# KiCad board spleeb.kicad_pcb
title: spleeb; rev: v1.0.0; company: Unknown
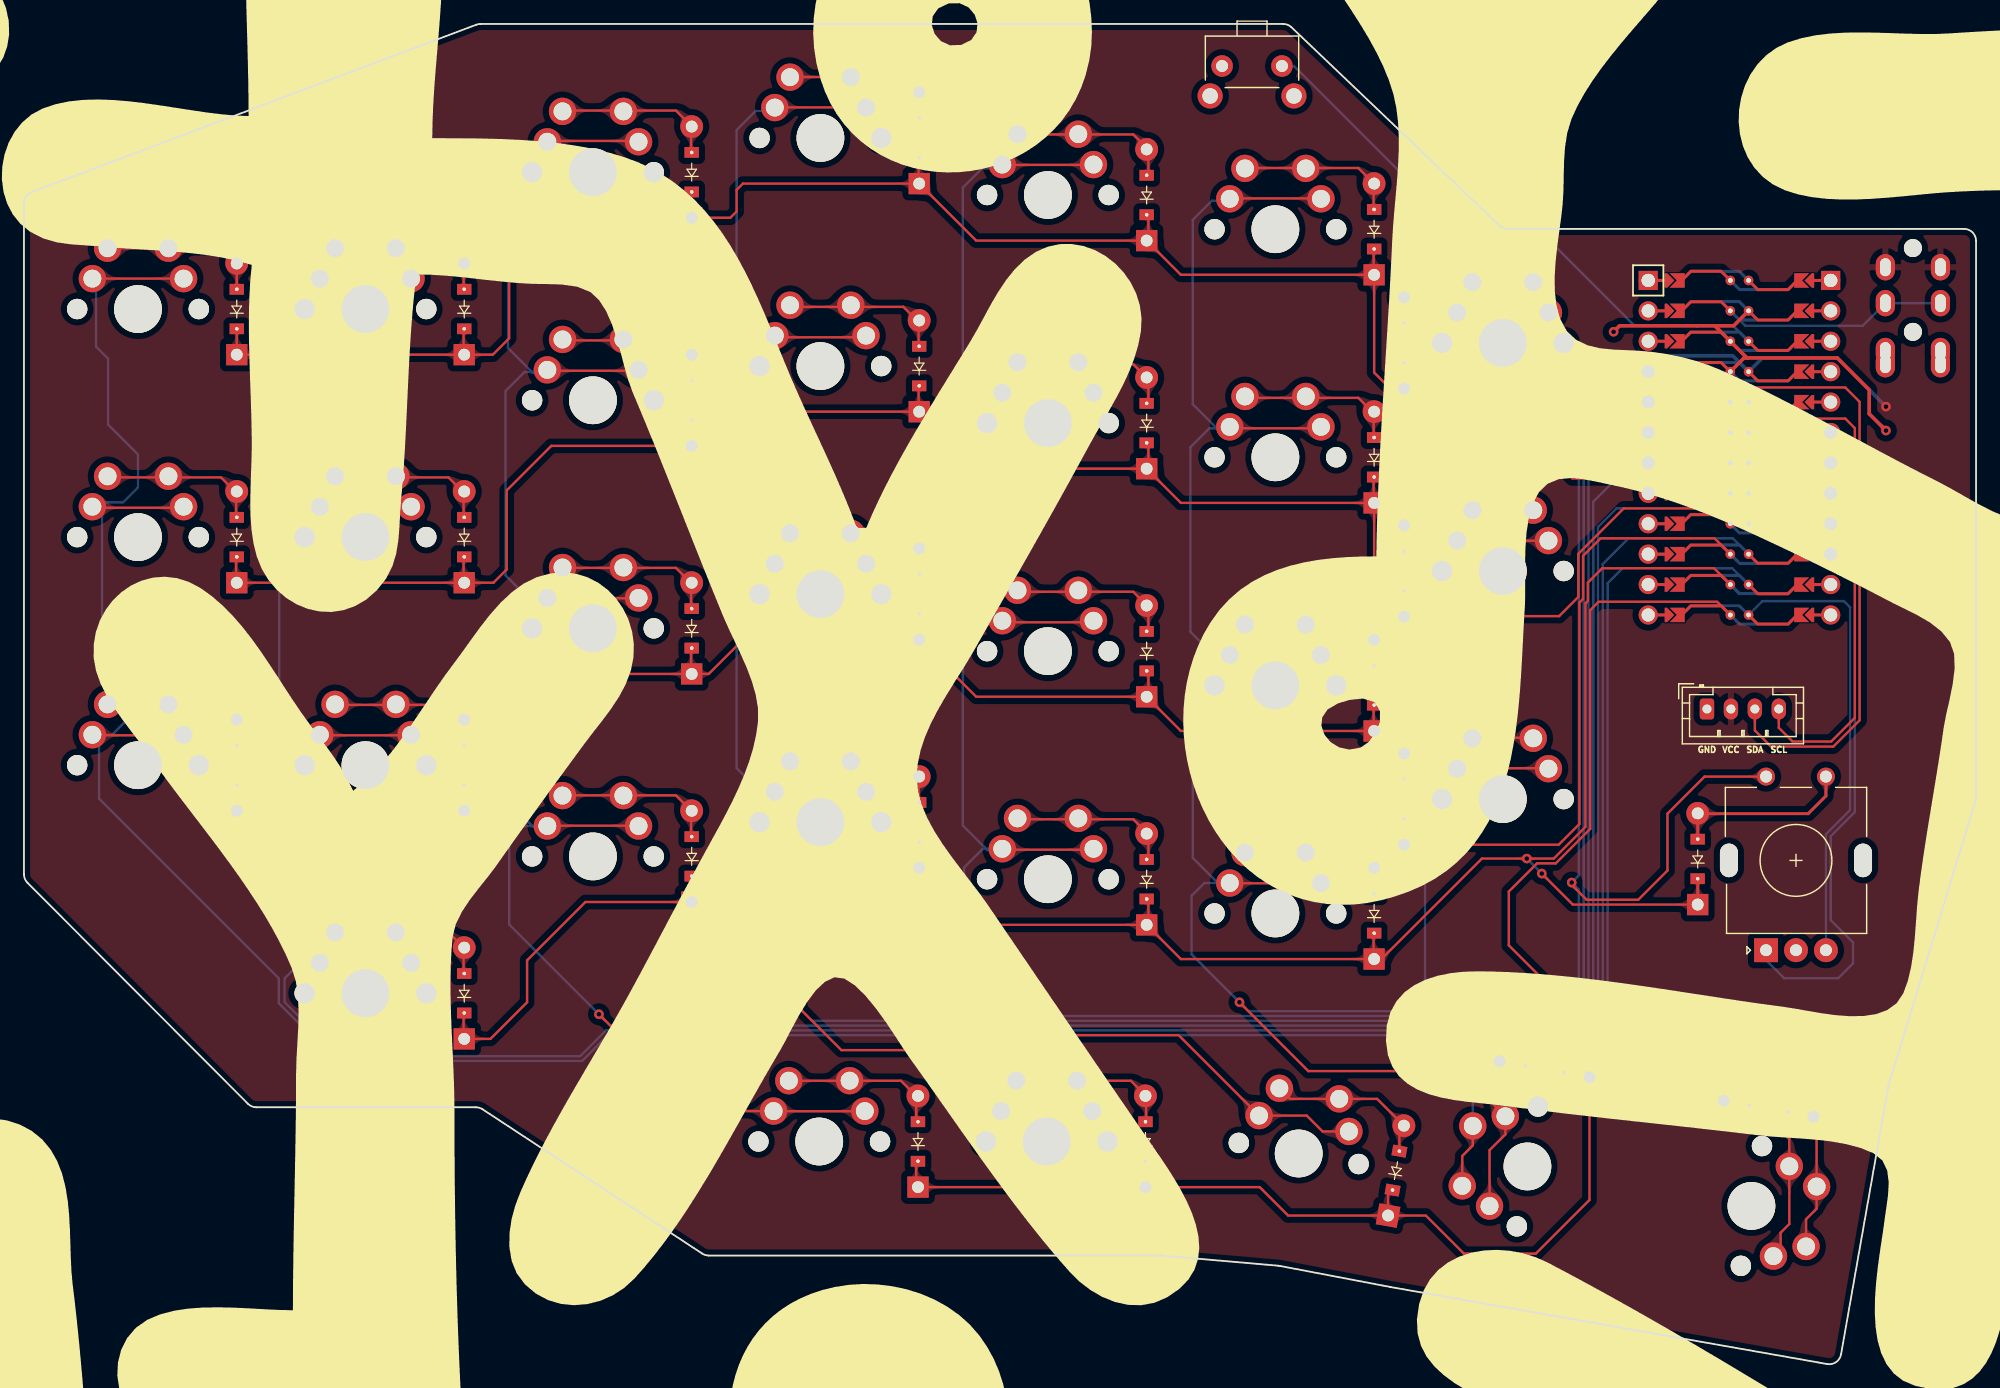
[diagram p0: board, top side]
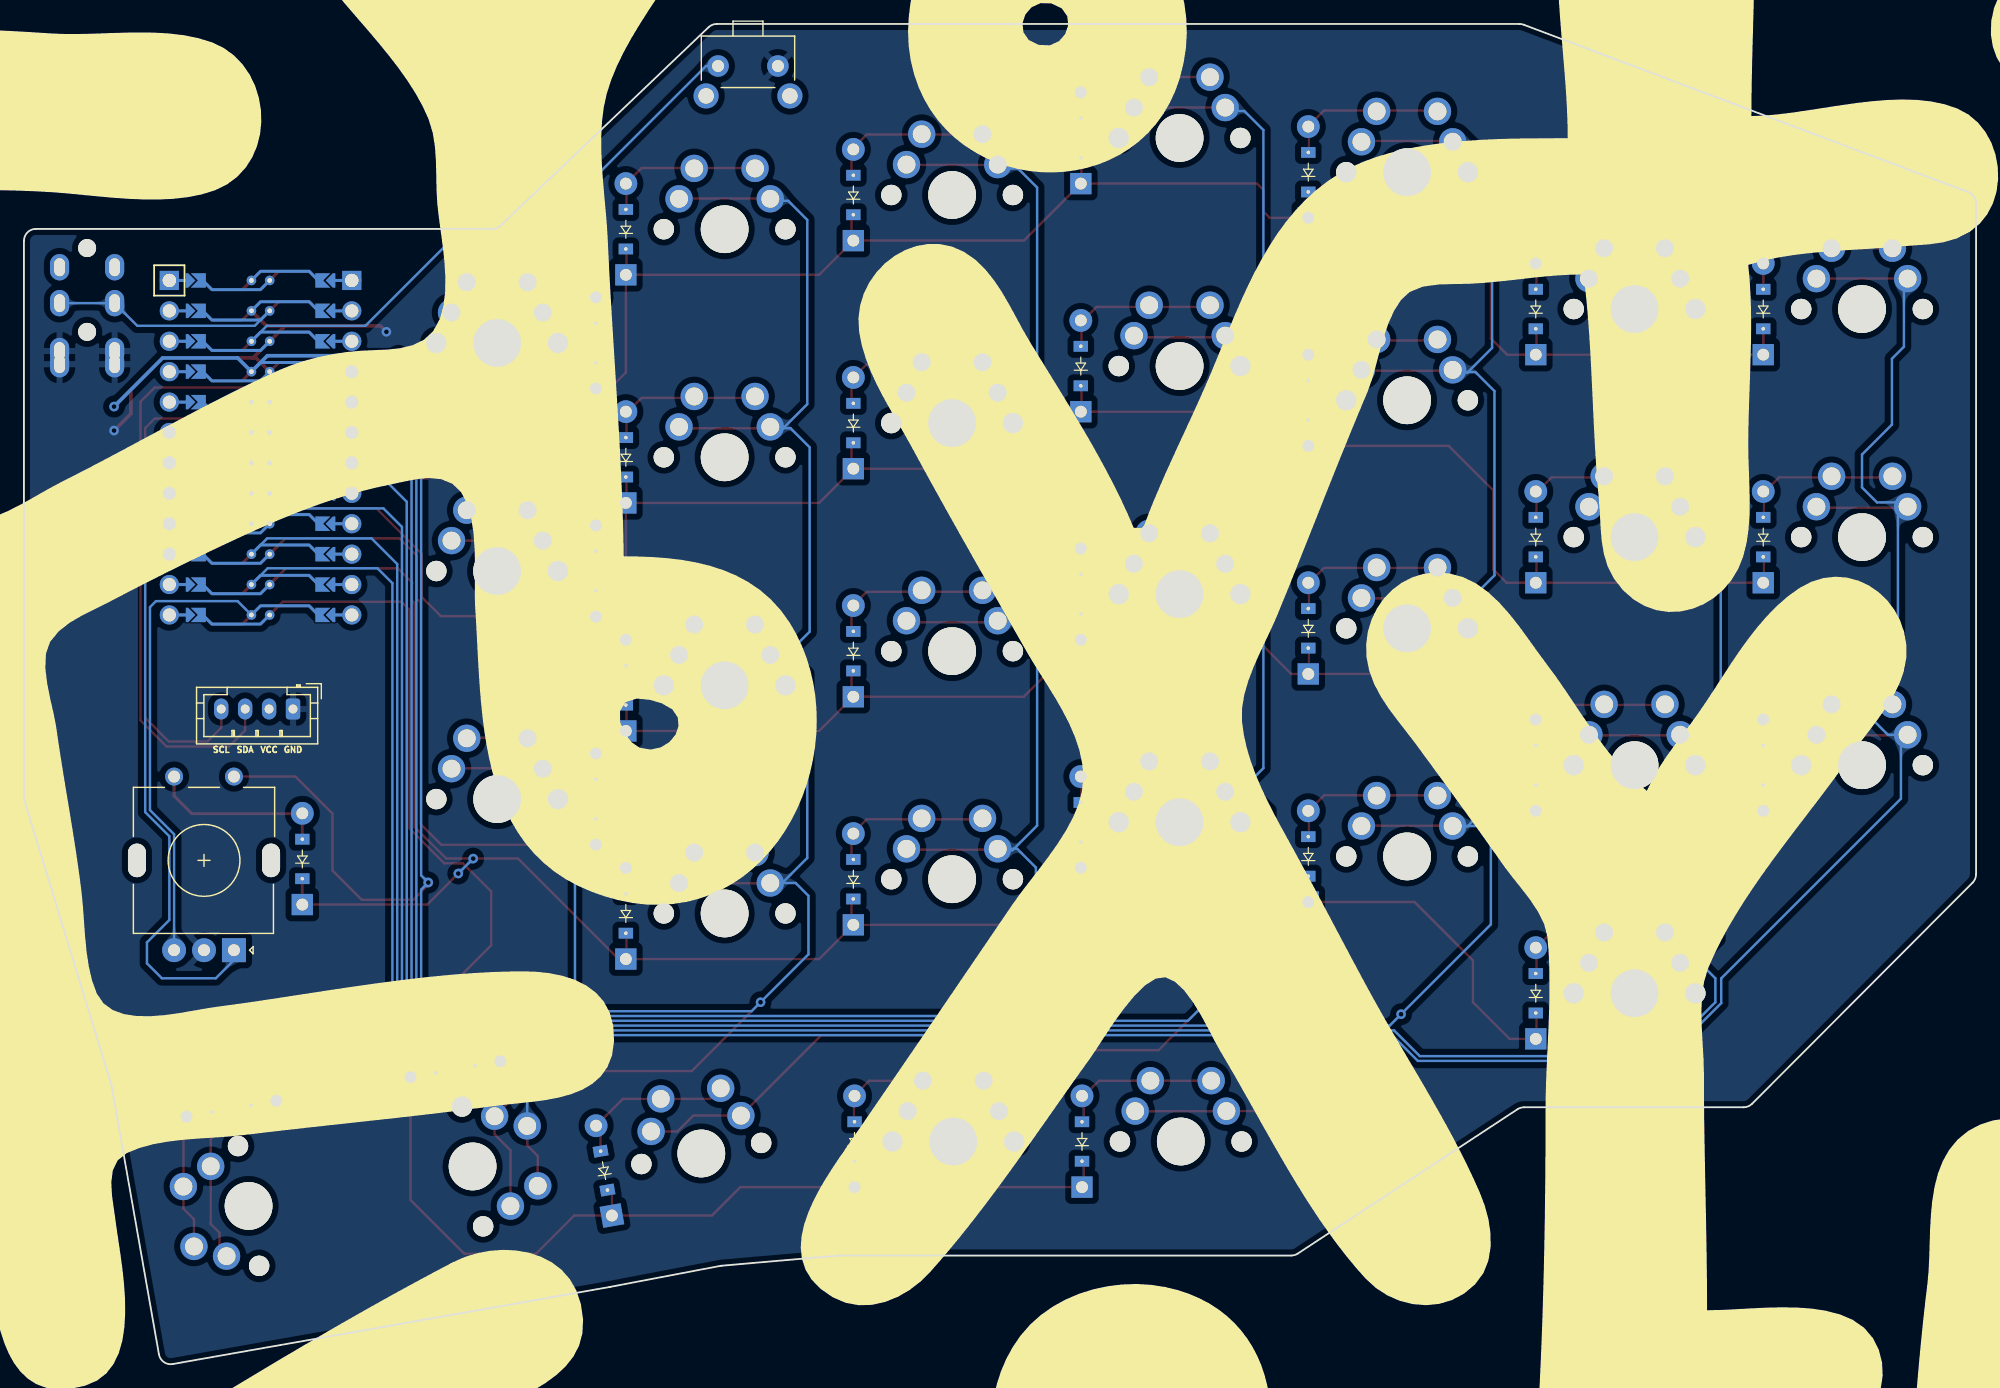
[diagram p1: board, bottom side, seen from below]

Outline 163.05 x 111.93 mm; copper layers: Top, Bottom. Coordinates in mm from the lower left corner of the outline.
Outline path: 0,96.95 arc(0.18,97.52) 0.65,97.89 37.78,111.87 arc(37.95,111.92) 38.13,111.93 105.18,111.93 arc(105.55,111.86) 105.87,111.66 123.24,95.09 arc(123.55,94.89) 123.93,94.81 162.05,94.81 arc(162.76,94.52) 163.05,93.81 163.05,47.34 arc(163.04,47.19) 163.01,47.05 155.75,23.34 arc(155.74,23.28) 155.73,23.22 151.77,0.81 arc(151.36,0.17) 150.62,0 114.14,6.43 arc(114.13,6.43) 114.12,6.43 104.87,8.2 arc(104.82,8.21) 104.77,8.21 94.99,9.06 arc(94.95,9.06) 94.91,9.06 57.2,9.06 arc(56.91,9.11) 56.65,9.23 38.3,21.28 arc(38.04,21.4) 37.75,21.45 19.41,21.45 arc(19.03,21.52) 18.71,21.74 0.29,40.2 arc(0.08,40.53) 0,40.91 0,96.95

## Placement (name value [footprint] x y rotation side)
B1  -  [SW_SKHLLCA010]  102.58 107.17 0 top
D1  -  [ComboDiode]  17.78 50.02 90 top
D2  -  [ComboDiode]  17.78 69.07 90 top
D3  -  [ComboDiode]  17.78 88.12 90 top
D4  -  [ComboDiode]  36.78 30.97 90 top
D5  -  [ComboDiode]  36.78 50.02 90 top
D6  -  [ComboDiode]  36.78 69.07 90 top
D7  -  [ComboDiode]  36.78 88.12 90 top
D8  -  [ComboDiode]  55.78 42.4 90 top
D9  -  [ComboDiode]  55.78 61.45 90 top
D10  -  [ComboDiode]  55.78 80.5 90 top
D11  -  [ComboDiode]  55.78 99.55 90 top
D12  -  [ComboDiode]  74.78 45.26 90 top
D13  -  [ComboDiode]  74.78 64.31 90 top
D14  -  [ComboDiode]  74.78 83.36 90 top
D15  -  [ComboDiode]  74.78 102.41 90 top
D16  -  [ComboDiode]  93.78 40.5 90 top
D17  -  [ComboDiode]  93.78 59.55 90 top
D18  -  [ComboDiode]  93.78 78.6 90 top
D19  -  [ComboDiode]  93.78 97.65 90 top
D20  -  [ComboDiode]  112.78 37.64 90 top
D21  -  [ComboDiode]  112.78 56.69 90 top
D22  -  [ComboDiode]  112.78 75.74 90 top
D23  -  [ComboDiode]  112.78 94.79 90 top
D24  -  [ComboDiode]  115.28 47.19 90 top
D25  -  [ComboDiode]  115.28 66.24 90 top
D26  -  [ComboDiode]  115.28 85.29 90 top
D27  -  [ComboDiode]  74.68 18.59 90 top
D28  -  [ComboDiode]  93.68 18.59 90 top
D29  -  [ComboDiode]  114.6 16.16 80 top
D30  -  [ComboDiode]  127.01 24.63 170 top
D31  -  [ComboDiode]  145.72 21.33 350 top
D32  -  [ComboDiode]  139.8 42.19 90 top
Graphic1  -  [svg2mod]  257.76 -57.3 180 top
JST1  -  [JST_PH_S2B-PH-K_02x2.00mm_Angled]  140.58 54.71 0 top
MCU1  -  [ProMicro]  143.29 76.54 270 top
ROT1  -  [rotary_encoder]  148.05 42.19 90 top
S1  -  [MX]  9.53 50.02 0 top
S2  -  [MX]  9.53 69.07 0 top
S3  -  [MX]  9.53 88.12 0 top
S4  -  [MX]  28.53 30.97 0 top
S5  -  [MX]  28.53 50.02 0 top
S6  -  [MX]  28.53 69.07 0 top
S7  -  [MX]  28.53 88.12 0 top
S8  -  [MX]  47.53 42.4 0 top
S9  -  [MX]  47.53 61.45 0 top
S10  -  [MX]  47.53 80.5 0 top
S11  -  [MX]  47.53 99.55 0 top
S12  -  [MX]  66.53 45.26 0 top
S13  -  [MX]  66.53 64.31 0 top
S14  -  [MX]  66.53 83.36 0 top
S15  -  [MX]  66.53 102.41 0 top
S16  -  [MX]  85.53 40.5 0 top
S17  -  [MX]  85.53 59.55 0 top
S18  -  [MX]  85.53 78.6 0 top
S19  -  [MX]  85.53 97.65 0 top
S20  -  [MX]  104.53 37.64 0 top
S21  -  [MX]  104.53 56.69 0 top
S22  -  [MX]  104.53 75.74 0 top
S23  -  [MX]  104.53 94.79 0 top
S24  -  [MX]  123.53 47.19 0 top
S25  -  [MX]  123.53 66.24 0 top
S26  -  [MX]  123.53 85.29 0 top
S27  -  [MX]  66.43 18.59 0 top
S28  -  [MX]  85.43 18.59 0 top
S29  -  [MX]  106.48 17.59 350 top
S30  -  [MX]  125.58 16.51 80 top
S31  -  [MX]  144.29 13.21 260 top
TRRS1  -  [TRRS-PJ-320A-dual]  160.08 94.81 0 top

## Footprints (pads in the part's own frame, mm; a bottom-side part is the same pattern mirrored in y, then rotated)
ComboDiode
  rect 0.9x1.2 hole 0.3: 1(-1.65,0) 2(1.65,0)
  round 1.905 hole 0.991: 1(3.81,0)
  rect 1.778x1.778 hole 0.991: 2(-3.81,0)
JST_PH_S2B-PH-K_02x2.00mm_Angled
  rrect 1.2x1.75 hole 0.75: 1(0,0)
  oval 1.2x1.75 hole 0.75: 2(2,0) 3(4,0) 4(6,0)
MX
  round 1.702 hole 1.702 unplated: (-5.08,0) (5.08,0)
  round 3.988 hole 3.988 unplated: (0,0)
  round 2.286 hole 1.499: 1(-2.54,5.08) 1(2.54,5.08) 2(-3.81,2.54) 2(3.81,2.54)
ProMicro
  round 1.6 hole 1.1: (-13.97,7.62) (-13.97,-7.62) (-11.43,7.62) (-11.43,-7.62) (-8.89,7.62) (-8.89,-7.62) (-6.35,7.62) (-6.35,-7.62) (-3.81,7.62) (-3.81,-7.62) (-1.27,7.62) (-1.27,-7.62) (1.27,7.62) (1.27,-7.62) (3.81,7.62) (3.81,-7.62) (6.35,7.62) (6.35,-7.62) (8.89,7.62) (8.89,-7.62) (11.43,7.62) (11.43,-7.62) (13.97,7.62) (13.97,-7.62)
  rect 1.6x1.6 hole 1.1: (-13.97,7.62) (-13.97,-7.62)
  custom 0.25x1 smd: (-13.97,6.35) (-13.97,-6.35) (-11.43,6.35) (-11.43,-6.35) (-8.89,6.35) (-8.89,-6.35) (-6.35,6.35) (-6.35,-6.35) (-3.81,6.35) (-3.81,-6.35) (-1.27,6.35) (-1.27,-6.35) (1.27,6.35) (1.27,-6.35) (3.81,6.35) (3.81,-6.35) (6.35,6.35) (6.35,-6.35) (8.89,6.35) (8.89,-6.35) (11.43,6.35) (11.43,-6.35) (13.97,6.35) (13.97,-6.35)
  custom 0.25x1 smd far side: (-13.97,6.35) (-13.97,-6.35) (-11.43,6.35) (-11.43,-6.35) (-8.89,6.35) (-8.89,-6.35) (-6.35,6.35) (-6.35,-6.35) (-3.81,6.35) (-3.81,-6.35) (-1.27,6.35) (-1.27,-6.35) (1.27,6.35) (1.27,-6.35) (3.81,6.35) (3.81,-6.35) (6.35,6.35) (6.35,-6.35) (8.89,6.35) (8.89,-6.35) (11.43,6.35) (11.43,-6.35) (13.97,6.35) (13.97,-6.35)
  custom 1.2x0.8 smd: (-13.97,5.842) (-13.97,-5.842) (-11.43,5.842) (-11.43,-5.842) (-8.89,5.842) (-8.89,-5.842) (-6.35,5.842) (-6.35,-5.842) (-3.81,5.842) (-3.81,-5.842) (-1.27,5.842) (-1.27,-5.842) (1.27,5.842) (1.27,-5.842) (3.81,5.842) (3.81,-5.842) (6.35,5.842) (6.35,-5.842) (8.89,5.842) (8.89,-5.842) (11.43,5.842) (11.43,-5.842) (13.97,5.842) (13.97,-5.842)
  custom 1.2x0.8 smd far side: (-13.97,5.842) (-13.97,-5.842) (-11.43,5.842) (-11.43,-5.842) (-8.89,5.842) (-8.89,-5.842) (-6.35,5.842) (-6.35,-5.842) (-3.81,5.842) (-3.81,-5.842) (-1.27,5.842) (-1.27,-5.842) (1.27,5.842) (1.27,-5.842) (3.81,5.842) (3.81,-5.842) (6.35,5.842) (6.35,-5.842) (8.89,5.842) (8.89,-5.842) (11.43,5.842) (11.43,-5.842) (13.97,5.842) (13.97,-5.842)
  custom 1.2x1.25 smd: 1(-13.97,4.826) 2(-11.43,4.826) 3(-8.89,4.826) 4(-6.35,4.826) 5(-3.81,4.826) 6(-1.27,4.826) 7(1.27,4.826) 8(3.81,4.826) 9(6.35,4.826) 10(8.89,4.826) 11(11.43,4.826) 12(13.97,4.826) 13(13.97,-4.826) 14(11.43,-4.826) 15(8.89,-4.826) 16(6.35,-4.826) 17(3.81,-4.826) 18(1.27,-4.826) 19(-1.27,-4.826) 20(-3.81,-4.826) 21(-6.35,-4.826) 22(-8.89,-4.826) 23(-11.43,-4.826) 24(-13.97,-4.826)
  custom 1.016x4.314 smd: 1(-13.97,0.762) 2(-11.43,0.762) 3(-8.89,0.762) 4(-6.35,0.762) 5(-3.81,0.762) 6(-1.27,0.762) 7(1.27,0.762) 8(3.81,0.762) 9(6.35,0.762) 10(8.89,0.762) 11(11.43,0.762) 12(13.97,0.762)
  custom 1.016x5.838 smd far side: 1(-13.97,0.762) 2(-11.43,0.762) 3(-8.89,0.762) 4(-6.35,0.762) 5(-3.81,0.762) 6(-1.27,0.762) 7(1.27,0.762) 8(3.81,0.762) 9(6.35,0.762) 10(8.89,0.762) 11(11.43,0.762) 12(13.97,0.762) 13(13.97,-0.762) 14(11.43,-0.762) 15(8.89,-0.762) 16(6.35,-0.762) 17(3.81,-0.762) 18(1.27,-0.762) 19(-1.27,-0.762) 20(-3.81,-0.762) 21(-6.35,-0.762) 22(-8.89,-0.762) 23(-11.43,-0.762) 24(-13.97,-0.762)
  round 0.8 hole 0.4: 1(-13.97,0.762) 2(-11.43,0.762) 3(-8.89,0.762) 4(-6.35,0.762) 5(-3.81,0.762) 6(-1.27,0.762) 7(1.27,0.762) 8(3.81,0.762) 9(6.35,0.762) 10(8.89,0.762) 11(11.43,0.762) 12(13.97,0.762) 13(13.97,-0.762) 14(11.43,-0.762) 15(8.89,-0.762) 16(6.35,-0.762) 17(3.81,-0.762) 18(1.27,-0.762) 19(-1.27,-0.762) 20(-3.81,-0.762) 21(-6.35,-0.762) 22(-8.89,-0.762) 23(-11.43,-0.762) 24(-13.97,-0.762)
  custom 1.2x1.25 smd far side: 1(-13.97,-4.826) 2(-11.43,-4.826) 3(-8.89,-4.826) 4(-6.35,-4.826) 5(-3.81,-4.826) 6(-1.27,-4.826) 7(1.27,-4.826) 8(3.81,-4.826) 9(6.35,-4.826) 10(8.89,-4.826) 11(11.43,-4.826) 12(13.97,-4.826) 13(13.97,4.826) 14(11.43,4.826) 15(8.89,4.826) 16(6.35,4.826) 17(3.81,4.826) 18(1.27,4.826) 19(-1.27,4.826) 20(-3.81,4.826) 21(-6.35,4.826) 22(-8.89,4.826) 23(-11.43,4.826) 24(-13.97,4.826)
  custom 1.012x4.314 smd: 13(13.97,-0.762) 14(11.43,-0.762) 15(8.89,-0.762) 16(6.35,-0.762) 17(3.81,-0.762) 18(1.27,-0.762) 19(-1.27,-0.762) 20(-3.81,-0.762) 21(-6.35,-0.762) 22(-8.89,-0.762) 23(-11.43,-0.762) 24(-13.97,-0.762)
rotary_encoder
  rect 3.2x2 hole 2.8x1.5 unplated: (-0.12,5.64) (-0.12,-5.56)
  round 1.5 hole 1: 1(6.88,2.54) 2(6.88,-2.46)
  rect 2x2 hole 1: A(-7.62,2.54)
  round 2 hole 1: B(-7.62,-2.46) C(-7.62,0.04)
SW_SKHLLCA010
  round 1.8 hole 1: 1(2.5,1.25) 2(-2.5,1.25)
  round 2.1 hole 1.3: MP(-3.5,-1.25) MP(3.5,-1.25)
TRRS-PJ-320A-dual
  round 1.5 hole 1.5 unplated: (-2.3,-1.6) (-2.3,-8.6)
  oval 1.6x2.2 hole 0.9x1.5: 1(-4.6,-11.3) 1(0,-11.3) 2(-4.6,-10.2) 2(0,-10.2) 3(-4.6,-6.2) 3(0,-6.2) 4(-4.6,-3.2) 4(0,-3.2)

## Nets
GND: B1.2 JST1.1 MCU1.2 MCU1.21 MCU1.22 ROT1.C TRRS1.1 TRRS1.2
VCC: JST1.2 MCU1.4 TRRS1.4
bottom_row: MCU1.14
bottom_row|extra_bottom: D32.1 D32.2
bottom_row|index_bottom: D16.1 D16.2
bottom_row|inner_bottom: D20.1 D20.2
bottom_row|middle_bottom: D12.1 D12.2
bottom_row|pinky_bottom: D4.1 D4.2
bottom_row|ring_bottom: D8.1 D8.2
extra_bottom: ROT1.2
extra_col: MCU1.5 ROT1.1 S24.2 S25.2 S26.2 S31.2
extra_home: S24.1
extra_home|home_row: D24.1 D24.2
extra_number: S26.1
extra_number|number_row: D26.1 D26.2
extra_top: S25.1
extra_top|top_row: D25.1 D25.2
far_mods: S31.1
far_mods|mods_row: D31.1 D31.2
home_mods: S30.1
home_mods|mods_row: D30.1 D30.2
home_row: MCU1.15
home_row|index_home: D17.1 D17.2
home_row|inner_home: D21.1 D21.2
home_row|middle_home: D13.1 D13.2
home_row|outer_home: D1.1 D1.2
home_row|pinky_home: D5.1 D5.2
home_row|ring_home: D9.1 D9.2
index_bottom: S16.1
index_col: MCU1.7 S16.2 S17.2 S18.2 S19.2 S29.2
index_home: S17.1
index_number: S19.1
index_number|number_row: D19.1 D19.2
index_top: S18.1
index_top|top_row: D18.1 D18.2
inner_bottom: S20.1
inner_col: MCU1.6 S20.2 S21.2 S22.2 S23.2 S30.2
inner_home: S21.1
inner_number: S23.1
inner_number|number_row: D23.1 D23.2
inner_top: S22.1
inner_top|top_row: D22.1 D22.2
led: MCU1.24
middle_bottom: S12.1
middle_col: MCU1.8 S12.2 S13.2 S14.2 S15.2 S28.2
middle_home: S13.1
middle_number: S15.1
middle_number|number_row: D15.1 D15.2
middle_top: S14.1
middle_top|top_row: D14.1 D14.2
mod_one_mods: S27.1
mod_one_mods|mods_row: D27.1 D27.2
mod_two_mods: S28.1
mod_two_mods|mods_row: D28.1 D28.2
mods_row: MCU1.13
mods_row|near_mods: D29.1 D29.2
near_mods: S29.1
number_row: MCU1.17
number_row|outer_number: D3.1 D3.2
number_row|pinky_number: D7.1 D7.2
number_row|ring_number: D11.1 D11.2
outer_col: MCU1.11 S1.2 S2.2 S3.2
outer_home: S1.1
outer_number: S3.1
outer_top: S2.1
outer_top|top_row: D2.1 D2.2
pinky_bottom: S4.1
pinky_col: MCU1.10 S4.2 S5.2 S6.2 S7.2
pinky_home: S5.1
pinky_number: S7.1
pinky_top: S6.1
pinky_top|top_row: D6.1 D6.2
RAW: MCU1.1
ring_bottom: S8.1
ring_col: MCU1.9 S8.2 S9.2 S10.2 S11.2 S27.2
ring_home: S9.1
ring_number: S11.1
ring_top: S10.1
ring_top|top_row: D10.1 D10.2
rot_left: MCU1.18 ROT1.A
rot_right: MCU1.12 ROT1.B
RST: B1.1 MCU1.3
SCL: JST1.4 MCU1.19
SDA: JST1.3 MCU1.20
serial: MCU1.23 TRRS1.3
top_row: MCU1.16

Pads without a net: B1 MP

## Via types
v1: diameter 0.8, hole 0.4, Top to Bottom, 12 vias

## Routing (per net, layer and track width the routed paths; a pad name or vN(x,y) marks a point on that pad's centre or on a via; arc(x,y) is an arc through that point)
GND: length 33
  Top w0.3: 141.23,86.72 133.28,86.72 v1(132.78,86.22) ; 141.23,86.72 MCU1.22 143.92,84.04 143.99,84.04 ; 141.23,86.72 142.8,86.72 MCU1.2 ; 143.99,84.04 143.68,84.04 MCU1.21 ; 143.99,84.04 151.46,84.04 154.13,81.37 154.13,79.37 v1(155.53,77.97)
VCC: length 26.5
  Bottom w0.3: v1(155.53,79.97) 151.46,84.04 145.2,84.04 MCU1.4 142.72,84.22 v1(131.78,84.22)
bottom_row: length 171
  Top w0.2: MCU1.14 141.16,66.47 131.83,66.47 130.63,65.27 130.63,63.74 130.43,63.54 130.43,44.87 127.78,42.22 v1(125.53,42.22) 121.78,42.22 113.38,33.83 ; 36.78,27.16 38.97,27.16 42.03,30.22 42.03,33.72 46.9,38.59 55.78,38.59 58.9,38.59 61.75,41.45 74.78,41.45 79.54,36.69 93.78,36.69 96.63,33.83 112.78,33.83 ; 93.93,38.77 93.93,36.61 ; 74.73,43.57 74.73,41.41 ; 139.8,38.38 129.37,38.38 v1(126.78,40.97) ; 55.73,40.77 55.73,38.61 ; 36.73,29.33 36.73,27.17 ; 112.73,35.97 112.73,33.81
  Top w0.25: 139.8,40.54 139.8,38.38
  Bottom w0.2: v1(126.78,40.97) v1(125.53,42.22)
extra_bottom: length 15.1
  Top w0.25: 139.83,45.97 149.03,45.97 150.51,47.46 ROT1.2 ; 139.8,46 139.8,43.84
extra_col: length 225
  Top w0.2: v1(129.28,40.22) 129.28,40.03 130.53,38.78 134.83,38.78 137.28,41.22 137.28,45.97 140.37,49.07 ROT1.1 ; v1(129.53,30.72) 130.03,30.72 137.03,23.72 144.03,23.72 145.53,22.22 145.53,20.72 147.45,18.79 S31.2 147.45,11.7 146.73,10.97 146.73,9.61 ; 127.34,68.77 119.72,68.77 ; 127.34,49.77 119.72,49.77 ; S26.2 S26.2
  Bottom w0.2: S25.2 118.12,68.78 117.03,69.87 117.03,86.97 117.88,87.83 S26.2 ; MCU1.5 144.05,80.45 142.78,81.72 132.78,81.72 129.88,78.82 129.88,40.82 v1(129.28,40.22) 129.88,39.62 129.88,31.07 v1(129.53,30.72) 128.68,29.87 119.13,29.87 117.03,31.97 117.03,48.72 118.03,49.73 S24.2 ; 119.52,68.83 117.68,68.83 116.83,67.97 116.83,50.87 117.92,49.78 119.52,49.78
extra_home: length 13.5
  Top w0.2: 115.28,48.88 115.28,51.04 116.55,52.31 126.07,52.31
extra_number: length 13.5
  Top w0.2: 115.28,86.94 115.28,89.1 116.55,90.37 S26.1 S26.1
extra_top: length 13.5
  Top w0.2: 126.07,71.31 116.55,71.31 115.28,70.04 115.28,67.88
far_mods: length 13.2
  Top w0.2: 149.47,20.67 147.72,20.67 147.35,21.04 ; 149.73,20.41 S31.1 149.73,12.98 148.85,12.1 S31.1
home_mods: length 14
  Top w0.2: 123.26,25.29 125.01,25.29 125.38,24.92 ; S30.1 121.02,18.26 120.13,17.38 S30.1
  Bottom w0.2: S30.1 121.02,23.05 123.26,25.29
home_row: length 185.6
  Top w0.2: 17.78,46.21 36.78,46.21 39.02,46.21 40.53,47.72 40.53,53.97 44.2,57.64 55.78,57.64 57.2,57.64 60.05,60.5 74.78,60.5 79.54,55.74 93.78,55.74 96.63,52.88 112.78,52.88 112.78,44.47 113.87,43.38 115.28,43.38 128.19,43.38 129.93,45.11 129.93,63.61 130.23,63.91 130.23,67.51 131.69,68.97 141.2,68.97 MCU1.15 ; 17.73,48.33 17.73,46.17 ; 55.73,59.77 55.73,57.61 ; 93.93,57.77 93.93,55.61 ; 112.73,54.97 112.73,52.81 ; 115.28,45.58 115.28,43.42 ; 74.73,62.57 74.73,60.41 ; 36.73,48.33 36.73,46.17
index_bottom: length 13.5
  Top w0.2: 83.14,45.5 92.66,45.5 93.93,44.23 93.93,42.07
index_col: length 261.5
  Top w0.2: 81.87,80.96 89.49,80.96 ; v1(80.78,29.97) 83.28,27.47 96.44,27.47 S29.2 107.14,20.75 108.47,19.43 S29.2 ; 81.87,61.96 89.49,61.96 ; 81.87,42.96 89.49,42.96 ; 81.87,100.16 89.49,100.16
  Bottom w0.2: 81.82,42.91 80.49,42.91 78.43,44.97 78.43,60.37 80.02,61.96 81.82,61.96 ; 81.62,61.81 80.29,61.81 78.23,63.87 78.23,79.27 79.82,80.86 81.62,80.86 ; MCU1.7 142.85,76.47 133.28,76.47 130.68,73.87 130.68,30.06 129.69,29.07 81.68,29.07 78.53,32.22 78.53,41.47 80.09,43.04 81.72,43.04 ; 81.82,80.81 80.49,80.81 78.43,82.87 78.43,98.27 80.02,99.86 81.82,99.86
index_home: length 13.5
  Top w0.2: 93.93,61.07 93.93,63.23 92.66,64.5 83.14,64.5
index_number: length 13.5
  Top w0.2: 93.93,99.27 93.93,101.43 92.66,102.7 83.14,102.7
index_top: length 13.5
  Top w0.2: 93.93,80.07 93.93,82.23 92.66,83.5 83.14,83.5
inner_bottom: length 13.5
  Top w0.2: 101.94,42.7 111.46,42.7 112.73,41.43 112.73,39.27
inner_col: length 239.7
  Top w0.2: v1(101.53,30.22) 107.28,24.47 119.96,24.47 S30.2 123.74,19.18 122.41,17.86 S30.2 ; 100.67,97.36 108.29,97.36 ; 100.67,40.16 108.29,40.16 ; 100.67,59.16 108.29,59.16 ; 100.67,78.16 108.29,78.16
  Bottom w0.2: 101.02,59.26 99.22,59.26 97.63,57.67 97.63,42.27 99.69,40.21 ; 100.82,59.11 99.49,59.11 97.43,61.17 97.43,76.57 99.02,78.16 100.82,78.16 ; MCU1.6 142.89,78.97 132.53,78.97 130.28,76.72 130.28,30.22 129.53,29.47 102.28,29.47 97.53,34.22 97.53,39.12 98.59,40.18 S20.2 ; 101.02,78.11 99.69,78.11 97.63,80.17 97.63,95.57 99.22,97.16 101.02,97.16
inner_home: length 13.5
  Top w0.2: 101.94,61.7 111.46,61.7 112.73,60.43 112.73,58.27
inner_number: length 13.5
  Top w0.2: 112.73,96.47 112.73,98.63 111.46,99.9 101.94,99.9
inner_top: length 13.5
  Top w0.2: 112.73,77.27 112.73,79.43 111.46,80.7 101.94,80.7
middle_bottom: length 13.5
  Top w0.2: 74.73,46.87 74.73,49.03 73.46,50.3 63.94,50.3
middle_col: length 276.8
  Top w0.2: 62.67,47.76 70.29,47.76 ; 81.67,21.12 89.29,21.12 ; 62.67,104.96 70.29,104.96 ; S28.2 79.62,21.13 74.53,26.22 68.28,26.22 v1(64.53,29.97) ; 62.67,85.76 70.29,85.76 ; 62.67,66.76 70.29,66.76
  Bottom w0.2: 62.92,47.71 61.59,47.71 59.53,49.77 59.53,65.17 61.12,66.76 62.92,66.76 ; 62.72,85.66 60.92,85.66 59.33,84.07 59.33,68.67 61.39,66.61 62.72,66.61 ; MCU1.8 142.81,73.97 133.03,73.97 131.08,72.02 131.08,29.89 129.86,28.67 65.83,28.67 59.03,35.47 59.03,46.24 60.59,47.8 S12.2 ; 62.92,85.61 61.59,85.61 59.53,87.67 59.53,103.07 61.12,104.66 62.92,104.66
middle_home: length 13.5
  Top w0.2: 74.73,65.87 74.73,68.03 73.46,69.3 63.94,69.3
middle_number: length 13.5
  Top w0.2: 63.94,107.5 73.46,107.5 74.73,106.23 74.73,104.07
middle_top: length 13.5
  Top w0.2: 63.94,88.3 73.46,88.3 74.73,87.03 74.73,84.87
mod_one_mods: length 13.5
  Top w0.2: 74.53,20.23 74.53,22.39 73.26,23.66 63.74,23.66
mod_two_mods: length 13.5
  Top w0.2: 82.94,23.66 92.46,23.66 93.73,22.39 93.73,20.23
mods_row: length 155.2
  Top w0.2: 144.1,21.62 142.34,21.62 ; 128.63,24.34 130.39,24.34 ; MCU1.13 141.43,63.67 131.52,63.67 130.83,62.97 130.83,44.71 127.94,41.82 126.38,41.82 124.03,39.47 124.03,34.97 137,21.99 ; 113.94,12.4 117.09,12.4 120.28,9.22 126.28,9.22 130.76,13.71 130.76,23.97 135.03,23.97 137,21.99 ; 113.94,12.4 113.94,14.16 114.31,14.53 ; 113.94,12.4 105.59,12.4 103.22,14.78 93.68,14.78 74.68,14.78 ; 74.53,16.93 74.53,14.77 ; 137,21.99 141.97,21.99 ; 93.73,16.93 93.73,14.77
near_mods: length 13.4
  Top w0.2: 115.26,19.91 113.02,22.15 S29.1 105.75,22.15 104.86,23.03 ; 114.89,17.78 114.89,19.53
number_row: length 167.7
  Top w0.2: MCU1.17 141.28,73.97 129.33,73.97 121.82,81.48 115.28,81.48 ; 17.78,86.47 17.78,84.31 36.78,84.31 39.17,84.31 40.53,85.67 40.53,94.77 41.5,95.74 55.78,95.74 59,95.74 59.53,96.27 59.53,98.07 60.05,98.6 74.78,98.6 79.54,93.84 93.78,93.84 96.63,90.98 112.78,90.98 112.78,82.82 114.12,81.48 115.28,81.48 ; 112.73,93.17 112.73,91.01 ; 115.28,83.64 115.28,81.48 ; 55.73,97.97 55.73,95.81 ; 36.73,86.53 36.73,84.37 ; 93.93,95.97 93.93,93.81 ; 74.73,100.77 74.73,98.61
outer_col: length 262.3
  Top w0.2: 5.67,71.52 13.29,71.52 ; 5.67,52.52 13.29,52.52 ; S3.2 S3.2
  Bottom w0.2: 5.44,52.56 7.37,52.56 9.03,54.22 9.03,55.72 6.53,58.22 6.53,70.8 S2.2 ; 5.03,72.3 5.18,72.15 5.82,72.15 6,71.97 8.28,71.97 9.53,73.22 9.53,75.97 7.03,78.47 7.03,83.97 6.03,84.97 6.03,90.35 S3.2 ; S1.2 6.28,52 6.28,47.22 21.29,32.21 21.29,30.14 24.11,27.32 33.67,27.32 35.67,25.32 46.63,25.32 48.78,27.47 130.35,27.47 132.28,29.39 132.28,65.22 133.53,66.47 142.69,66.47 MCU1.11
outer_home: length 13.5
  Top w0.2: 17.73,53.79 16.46,55.06 6.94,55.06
  Top w0.25: 17.78,53.83 17.78,51.67
outer_number: length 13.5
  Top w0.2: 17.78,89.77 17.78,91.93 16.51,93.2 S3.1 S3.1
outer_top: length 13.5
  Top w0.2: 17.73,70.63 17.73,72.79 16.46,74.06 6.94,74.06
pinky_bottom: length 13.5
  Top w0.2: 36.73,32.63 36.73,34.79 35.46,36.06 25.94,36.06
pinky_col: length 271.6
  Top w0.2: 24.67,71.52 32.29,71.52 ; 24.67,33.52 32.29,33.52 ; 24.67,90.72 32.29,90.72 ; 24.67,52.52 32.29,52.52
  Bottom w0.2: 24.92,90.36 23.12,90.36 21.53,88.77 21.53,73.37 23.59,71.31 24.92,71.31 ; 123.18,27.87 130.19,27.87 131.88,29.56 131.88,66.82 134.03,68.97 142.73,68.97 MCU1.10 ; 123.18,27.87 48.61,27.87 46.46,25.72 35.84,25.72 33.84,27.72 24.28,27.72 21.78,30.22 21.78,32.22 23.07,33.51 S4.2 ; 123.18,27.87 123.36,27.87 ; 24.72,52.31 23.39,52.31 21.33,54.37 21.33,69.77 22.92,71.36 24.72,71.36 ; 24.92,33.41 23.59,33.41 21.53,35.47 21.53,50.87 23.12,52.46 24.92,52.46